# Allegro board RK3588S_Template_LP4XD200P232SD10H2_30X30_2133MHz_H1R0_V11_20220218YWQ.brd (continued)
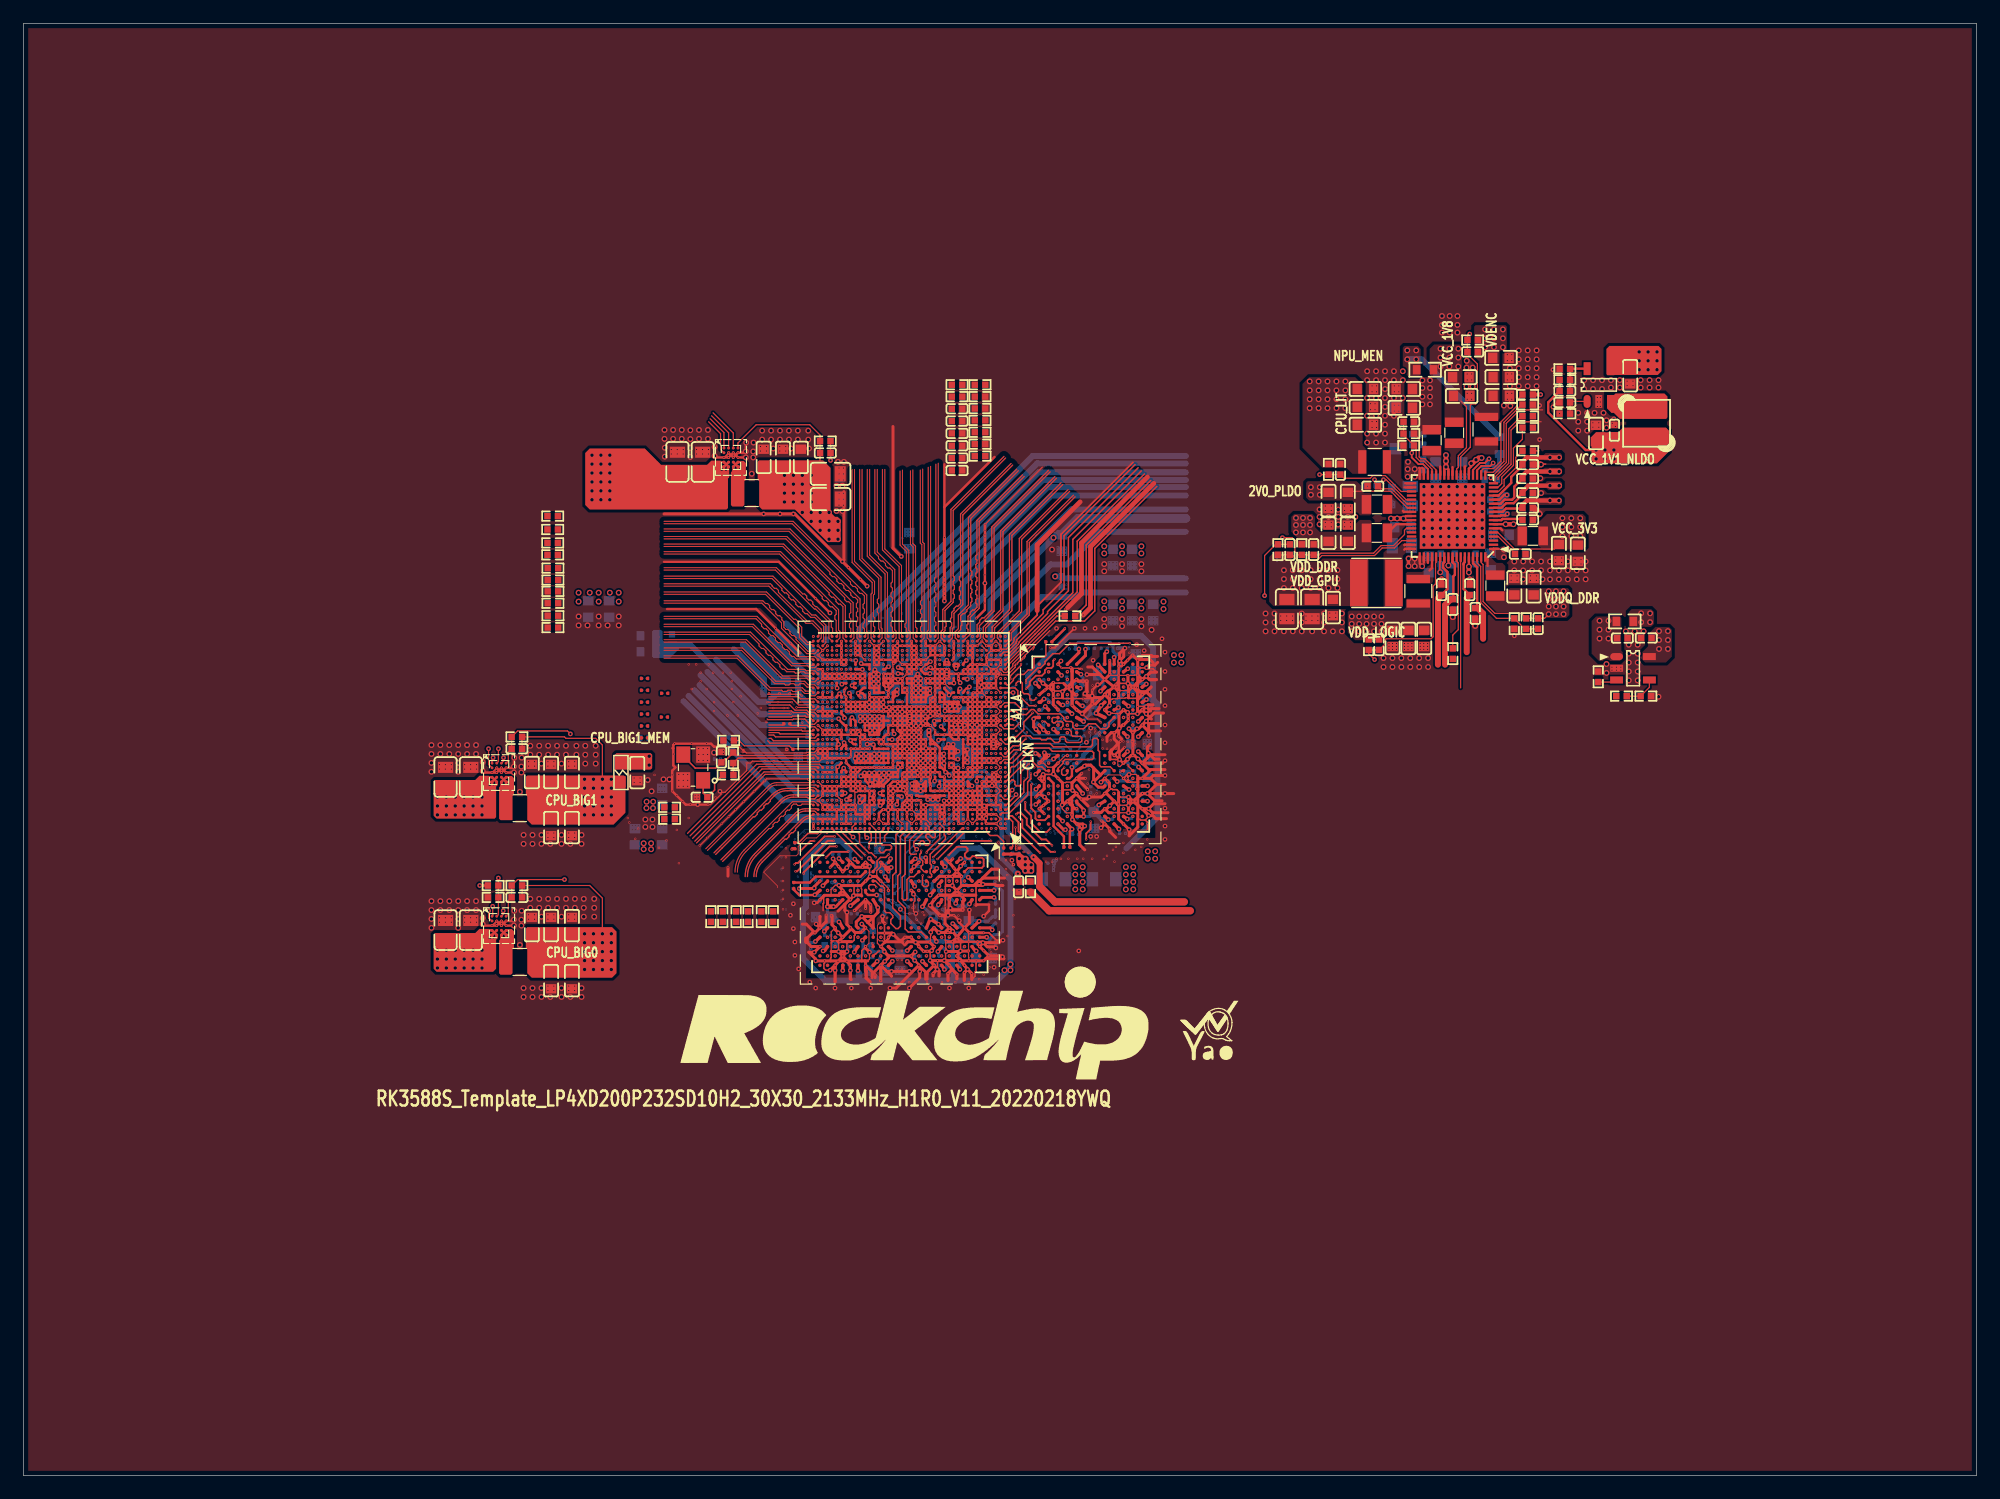
[diagram p0: board, top side]
## Copper pours and planes (outline as drawn; the poured copper is in the pictures) (continued)
VDD_0V75_S3 on TOP: 130.05,87.38 131.32,87.38 131.44,87.25 131.44,86.87 131.32,86.74 129.92,86.74 129.79,86.87 129.79,87.12
VDD_CPU_BIG0_S0 on TOP (solid shape): 50.67,46.48 50.67,42.93 50.29,42.55 43.43,42.55 43.05,42.93 43.05,44.96 42.93,45.09 42.93,46.74 43.05,46.86 50.29,46.86
VDD_CPU_BIG0_S0 on BOTTOM (solid shape): 75.06,60.45 75.06,59.79 74.75,59.49 74.18,59.49 74.18,59.42 74.05,59.42 73.66,59.03 73.56,59.03 73.5,59.05 73.47,59.05 73.41,59.05 73.15,59.05 72.9,58.8 72.52,58.8 72.14,58.42 71.88,58.42 71.88,58.8 72.01,58.93 72.19,58.93 72.21,58.98 72.21,59.09 72.23,59.12 72.25,59.17 72.39,59.31 72.39,59.56 72.29,59.67 72.27,59.65 72.24,59.67 72.08,59.68 71.95,59.6 71.93,59.59 71.92,59.59 71.84,59.59 71.76,59.56 71.4,59.56 71.39,59.57 71.27,59.59 71.16,59.57 71.15,59.56 70.76,59.56 70.68,59.59 70.61,59.59 70.59,59.59 70.48,59.69 70.48,59.94 70.53,59.95 70.59,59.97 70.64,60 70.7,60.06 71.62,60.06 71.73,60.17 71.91,60.17 71.91,60.19 72.38,60.19 72.4,60.17 72.63,60.17 72.65,60.19 72.71,60.19 72.96,60.45 74.04,60.45 74.29,60.71 74.8,60.71
VDD_CPU_BIG0_S0 on BOTTOM: 55.07,54.53 51.89,54.53 51.64,54.28 51.64,53.52 52.02,53.14 54.94,53.14 55.32,53.52 55.32,54.28
VDD_CPU_BIG0_S0 on L5-POWER2: 75.23,60.5 74.88,60.86 74.52,60.86 74.14,60.48 70.75,60.48 70.26,59.99 64.31,59.99 61.07,56.76 56.78,56.76 54.31,54.28 49.45,54.28 46.61,51.44 46.61,43.05 46.93,42.74 47.43,42.74 47.5,42.67 63.63,42.67 63.88,42.93 63.88,51.74 65.38,53.24 65.4,53.24 66.4,54.23 67.59,54.23 67.84,53.98 71.37,53.98 72.64,55.24 75.06,55.24 75.44,55.63 75.44,59.51 75.23,59.72
VDD_CPU_BIG0_S0 on L6-S2: 74.45,59.21 74.45,59.11 73.89,58.55 73.86,58.55 73.86,58.34 73.23,57.71 73.23,56.64 73.02,56.44 73.02,55.37 72.9,55.24 70.61,55.24 58.17,42.8 46.86,42.8 46.61,43.05 46.61,52.12 54.61,60.12 60.15,60.12 61.37,61.34 70.48,61.34 70.61,61.21 70.61,60.88 70.56,60.83 70.56,60.76 70.95,60.36 73.88,60.36 74.42,60.91 74.88,60.91 75.23,60.55 75.23,59.99
VDD_CPU_BIG1_MEM_S0 on TOP (solid shape): 53.72,61.59 53.72,60.45 53.59,60.33 50.55,60.33 50.55,61.59 50.67,61.72 53.59,61.72
VDD_CPU_BIG1_MEM_S0 on L6-S2: 72.91,63.29 72.97,63.22 72.97,62.1 72.85,61.97 71.11,61.97 70.76,61.62 70.71,61.62 70.69,61.59 61.24,61.59 60.02,60.38 53.29,60.38 53.21,60.45 53.21,62.99 53.51,63.29
VDD_CPU_BIG1_S0 on TOP (solid shape): 51.43,59.69 51.43,56.64 50.42,55.63 43.43,55.63 43.05,56.01 43.05,58.04 42.93,58.17 42.93,59.69 43.05,59.82 51.31,59.82
VDD_CPU_BIG1_S0 on BOTTOM (solid shape): 71.37,62.1 71.37,61.98 71.49,61.98 71.5,61.97 74.8,61.97 74.93,61.85 74.93,61.21 74.8,61.09 74.29,61.09 74.17,61.21 73.3,61.21 73.15,61.07 72.74,61.07 72.74,61.07 72.58,61.07 72.58,60.91 72.44,60.77 72.34,60.77 72.33,60.78 72.22,60.8 72.1,60.78 72.09,60.77 71.64,60.77 71.58,60.77 71.07,60.77 71.01,60.83 70.87,60.83 70.74,60.96 70.74,61.09 70.48,61.34 69.72,61.34 69.52,61.13 69.4,61.13 69.13,60.86 67.03,60.86 66.93,60.96 66.93,61.59 67.18,61.85 69.36,61.85 69.42,61.83 69.47,61.83 69.49,61.83 69.6,61.72 70.75,61.72 70.75,61.86 70.99,62.1 71.37,62.1
VDD_CPU_BIG1_S0 on BOTTOM: 53.21,56.69 54.94,56.69 55.19,56.95 55.19,57.84 55.07,57.96 53.21,57.96 52.96,57.71 52.96,56.95
VDD_CPU_BIG1_S0 on L5-POWER2: 73.38,62.73 68.07,62.73 67.81,62.99 66.55,62.99 66.42,62.87 66.42,62.86 66.29,62.73 59.82,62.73 59.05,63.5 47.24,63.5 46.99,63.25 46.99,56.77 48.84,54.91 53.97,54.91 56.83,57.77 56.91,57.77 56.97,57.84 58.12,57.84 58.37,57.58 60.91,57.58 63.99,60.66 70.65,60.66 70.87,60.88 73.23,60.88 73.38,61.04
VDD_CPU_BIG1_S0 on L8-S3: 49.1,63.93 61.54,63.93 61.8,63.68 66.42,63.68 66.55,63.55 66.55,62.74 66.93,62.36 68.58,62.36 69.09,61.85 69.98,61.85 70.23,62.1 71.75,62.1 71.88,62.23 71.88,62.48 72.01,62.61 72.64,62.61 72.77,62.48 72.77,62.23 72.9,62.1 73.15,62.1 73.28,61.98 73.28,61.21 73.15,61.09 70.74,61.09 70.36,60.71 70.1,60.71 69.21,59.82 69.21,58.55 67.82,57.15 66.55,57.15 61.21,51.82 47.62,51.82 47.12,52.32 47.12,61.95
VDD_CPU_LIT_S0 on BOTTOM (solid shape): 70.48,65.41 72.02,65.41 72.12,65.34 72.23,65.31 72.24,65.3 72.24,65.14 72.39,65.14 72.39,65.07 72.71,65.07 72.87,64.97 72.87,64.98 73.02,65.07 73.17,65.07 73.25,64.95 73.25,64.95 73.3,64.86 73.51,64.95 74.12,64.95 74.12,64.06 73.58,64.06 73.27,63.74 73.27,63.37 72.77,63.37 72.72,63.42 72.72,63.47 72.17,63.47 72.14,63.5 72.14,64.26 72.09,64.31 71.07,64.31 71.07,64.56 71.13,64.69 71.13,64.85 71.13,64.88 71.11,64.91 70.98,65.07 70.78,65.12 70.64,65.1 70.52,65.02 70.36,65.02 69.98,65.41 69.98,65.53 70.36,65.53
VDD_CPU_LIT_S0 on TOP: 113.54,85.6 113.03,86.11 111,86.11 109.28,87.82 109.28,93.28 109.85,93.85 113.79,93.85 114.43,93.22 114.43,88.01 114.68,87.76 114.68,85.6
VDD_CPU_LIT_S0 on BOTTOM: 50.85,74.09 51.18,74.42 51.18,75.56 50.88,75.87 47.42,75.87 47.12,75.56 47.12,74.42 47.45,74.09
VDD_CPU_LIT_S0 on L5-POWER2: 55.88,108.78 115.76,108.78 120.78,103.76 120.78,89.66 116.59,85.47 111.38,85.47 108.84,88.01 108.84,93.22 106.43,95.63 74.55,95.63 70.1,91.19 70.1,89.03 68.07,87 64.26,87 59.44,82.17 59.44,72.64 65.23,66.85 65.28,66.85 65.46,66.67 68.2,66.67 69.04,65.84 70.18,65.84 70.23,65.79 70.66,65.79 70.87,65.58 71.58,65.58 72.03,65.13 73.28,65.13 73.28,65.02 73.41,64.9 73.41,64.39 73.02,64.01 73.02,63.12 71.25,63.12 70.99,63.37 69.72,63.37 69.57,63.22 68.17,63.22 68.14,63.25 59.82,63.25 59.18,63.88 46.48,63.88 46.23,64.14 46.23,77.34 51.31,82.42 51.31,104.2
VDD_CPU_LIT_S0 on L6-S2: 72.74,63.34 53.16,63.34 52.82,63.68 46.81,63.68 46.48,64.01 46.48,86.61 67.31,107.44 112.27,107.44 114.17,105.54 114.17,91.31 113.79,90.93 73.28,90.93 68.58,86.23 64.52,86.23 62.48,84.2 62.48,80.64 62.1,80.26 62.1,75.06 62.67,74.49 62.8,74.49 69.21,68.07 69.21,66.29 69.34,66.17 70.23,66.17 70.23,66.08 70.48,65.83 72.83,65.83 73.41,65.25 73.41,64.39 73.41,64.39 73.02,64.01 73.02,63.63
VDD_DDR_S0 on BOTTOM (solid shape): 79.38,62.99 80.11,62.99 80.21,62.89 80.21,61.62 80.06,61.47 80.06,61.11 80.01,61.06 79.66,61.06 79.58,61.14 79.45,61.14 79.32,61.26 79.32,61.65 78.94,62.03 78.94,62.53 78.87,62.61 78.87,62.99 78.99,63.12 79.25,63.12
VDD_DDR_S0 on BOTTOM (solid shape): 77.42,59.49 77.42,58.98 76.91,58.47 76.91,58.17 76.83,58.09 75.51,58.09 75.39,58.22 75.39,58.28 75.41,58.3 75.52,58.48 75.52,58.69 75.51,58.7 75.51,59.23 75.57,59.29 76.41,59.29 76.41,59.36 76.53,59.36 76.78,59.61 77.29,59.61
VDD_DDR_S0 on TOP: 108.84,80.14 108.33,80.64 108.33,81.91 108.58,82.17 110.11,82.17 110.36,81.91 110.36,81.03 110.74,80.64 113.79,80.64 113.79,81.28 114.17,81.66 115.06,81.66 115.19,81.53 115.19,79.12 115.06,78.99 110.87,78.99 110.62,79.25 108.97,79.25 108.84,79.38
VDD_DDR_S0 on L4-POWER1: 77.81,62.01 77.81,63.33 78.16,63.68 80.09,63.68 80.21,63.55 80.21,62.15 80.47,61.9 80.47,60.96 81.03,60.4 81.03,58.55 80.14,57.66 78.54,57.66 78.28,57.91 75.95,57.91 75.65,58.2 75.65,59.23 75.77,59.35 76.88,59.35 77.93,60.4 77.93,61.9
VDD_DDR_S0 on L4-POWER1: 109.09,40.89 85.72,40.89 85.22,41.4 85.22,50.67 85.34,50.8 88.01,50.8 89.41,49.4 92.96,49.4 94.87,47.5 103.63,47.5 107.82,51.69 107.82,82.8 108.2,83.19 117.98,83.19 119.25,81.91 119.25,79.12 120.65,77.72 120.65,52.45
VDD_DDR_S0 on L5-POWER2: 77.22,59.31 75.82,59.31 75.69,59.18 75.69,58.04 75.95,57.78 76.58,57.78 76.96,58.17 78.23,58.17 78.36,58.29 79.12,58.29 80.01,59.18 80.01,62.23 79.63,62.61 78.74,62.61 78.61,62.48 78.61,62.23 78.74,62.1 78.74,60.83
VDD_DDR_S0 on L6-S2: 73.48,57.78 75.03,59.33 75.06,59.33 75.16,59.44 77.09,59.44 77.47,59.82 77.98,59.82 78.74,59.05 83.69,59.05 84.07,59.44 85.09,59.44 85.85,58.67 85.85,57.15 88.39,54.61 88.39,49.91 87.63,49.15 83.44,49.15 82.68,49.91 82.68,51.18 80.58,53.28 78.3,53.28 77.47,54.1 75.06,54.1 74.42,54.74 74.36,54.67 73.6,54.67 73.28,54.99 73.28,56.06 73.48,56.26
VDD_GPU_S0 on BOTTOM (solid shape): 76.2,68.71 76.58,68.71 76.73,68.56 76.73,68.33 76.8,68.23 76.92,68.18 76.96,68.17 76.96,68.07 77.09,67.94 77.09,67.69 77.33,67.45 77.36,67.47 77.39,67.49 77.55,67.49 77.63,67.41 77.62,67.3 77.66,67.18 77.64,67.14 77.6,67.02 77.62,66.89 77.63,66.83 77.66,66.78 77.67,66.75 77.67,66.73 77.69,66.7 77.7,66.63 77.76,66.63 77.78,66.61 77.79,66.61 77.8,66.6 77.93,66.6 78.05,66.47 78.05,66.22 77.93,66.09 77.55,66.09 77.42,65.96 77.27,65.96 77.16,65.86 77.11,65.83 77.06,65.79 76.71,65.79 76.66,65.84 75.9,65.84 75.9,65.91 75.71,65.91 75.71,65.94 75.66,65.94 75.56,66.04 75.26,66.04 75.26,66.5 75.56,66.8 75.56,68.96 75.69,69.09 75.82,69.09
VDD_GPU_S0 on TOP: 110.74,78.11 108.58,78.11 108.33,78.36 108.33,78.74 108.08,78.99 106.93,78.99 106.43,78.49 106.43,74.68 106.81,74.3 114.81,74.3 114.94,74.42 114.94,78.23 114.81,78.36 111,78.36
VDD_GPU_S0 on BOTTOM: 75.31,79.76 75.06,79.5 75.06,78.87 75.18,78.74 76.2,78.74 76.33,78.87 76.33,79.63 76.2,79.76
VDD_GPU_S0 on BOTTOM: 92.2,78.49 95.63,78.49 95.76,78.61 95.76,79.5 95.63,79.63 92.2,79.63 92.07,79.5 92.07,78.61
VDD_GPU_S0 on L5-POWER2: 75.44,66.6 75.36,66.67 75.31,66.67 75.31,66.8 74.94,67.17 74.41,67.17 73.89,67.69 73.89,71.75 70.74,74.9 70.74,90.81 74.99,95.06 106.11,95.06 108.33,92.84 108.33,87.25 110.49,85.09 111.38,85.09 112.78,83.69 112.78,75.82 112.52,75.56 103.76,75.56 98.81,80.52 82.77,80.52 79.38,77.13 79.38,74.3 79.25,74.17 79.21,74.17 78.53,73.49 78.53,72.15 78.01,71.63 78.01,70.5 77.98,70.48 77.98,67.82 77.85,67.69 77.85,66.8 77.65,66.6
VDD_GPU_S0 on L6-S2: 76.35,66.52 76.28,66.6 75.44,66.6 74.96,67.08 74.93,67.08 74.7,67.31 73.89,67.31 73.79,67.41 73.56,67.41 73.38,67.59 73.38,72.14 73.39,72.15 73.39,72.63 73.41,72.64 73.41,72.77 70.74,75.44 70.74,88.01 73.28,90.55 113.54,90.55 114.43,89.66 114.43,77.47 111.63,74.68 107.24,74.68 105.16,76.76 89.41,76.76 88.7,77.47 81.79,77.47 80.77,76.45 80.77,75.82 79.63,74.68 79.63,73.28 78.99,72.64 78.99,71.12 78.23,70.36 78.23,66.65 78.1,66.52
VDD_LOGIC_S0 on BOTTOM (solid shape): 79.12,65.94 79.75,65.94 79.75,65.96 80.06,65.96 80.12,65.75 80.31,65.74 80.34,65.71 80.67,65.71 80.74,65.7 80.85,65.71 80.9,65.66 80.9,65.15 80.85,65.11 80.19,65.11 80.19,65.07 79.71,65.07 79.58,65.2 79.58,65.58 78.31,65.58 78.31,65.86 78.41,65.96 79.12,65.96
VDD_LOGIC_S0 on L9-GND3 (solid shape): 70.87,65.79 70.87,65.22 70.84,65.15 70.77,65.12 70.65,65.09 70.55,65.02 70.35,65.02 70.15,65.08 69.96,65.02 69.21,65.02 68.2,64.01 68.2,62.74 69.21,61.72 69.98,61.72 70.1,61.59 70.1,61.21 69.98,61.09 69.98,60.96 69.6,60.96 69.54,60.91 69.52,60.9 69.39,60.86 69.29,60.76 69.22,60.57 69.27,60.37 69.44,60.22 69.67,60.22 69.7,60.22 69.82,60.11 69.99,60.11 70.08,60.09 70.17,60.1 70.19,60.11 70.97,59.33 70.97,59.26 70.99,59.2 70.99,58.93 70.61,58.93 70.1,59.44 68.71,59.44 68.07,60.07 68.07,61.47 67.69,61.85 67.69,64.52 68.83,65.66 70.16,65.66 70.22,65.65 70.48,65.91 70.74,65.91
VDD_LOGIC_S0 on TOP: 113.16,72.01 113.79,71.37 115.82,71.37 116.2,71.75 120.01,71.75 120.27,72.01 120.27,74.8 120.14,74.93 118.24,74.93 118.11,74.8 118.11,74.17 117.86,73.91 113.28,73.91 113.16,73.79
VDD_LOGIC_S0 on BOTTOM: 92.27,73.66 91.38,72.77 87.76,72.77 86.99,72.01 86.99,71.25 84.65,68.9 84.65,68.52 84.45,68.33 84.45,67.69 81.91,65.15 80.14,65.15 80.14,65.41 80.39,65.66 80.9,65.66 81.66,66.42 82.04,66.42 82.68,67.06 82.68,67.69 84.07,69.09 84.07,69.47 85.09,70.48 85.09,72.64 87.12,74.68 90.3,74.68 90.55,74.93 95.63,74.93 95.76,74.8 95.76,73.91 95.5,73.66
VDD_LOGIC_S0 on L4-POWER1: 78.36,65.38 76.43,65.38 76.2,65.15 75.31,65.15 75.08,65.38 74.12,65.38 73.3,66.19 71.37,66.19 71.12,66.45 71.12,66.93 71.37,67.18 72.05,67.18 72.14,67.09 74.29,67.09 74.55,66.84 75.44,66.84 75.44,66.55 75.82,66.17 76.2,66.17 76.62,66.59 76.67,66.59 76.76,66.5 79.55,66.5 80.26,65.79 80.26,65.15 79.88,64.77 78.97,64.77
VDD_LOGIC_S0 on L5-POWER2: 78.41,65.35 77.48,65.35 77.44,65.38 76.61,65.38 76.58,65.41 76.45,65.41 76.2,65.15 75.44,65.15 75.12,65.47 72.45,65.47 71.96,65.96 71.15,65.96 71.02,66.09 71.02,67.21 71.09,67.28 74.5,67.28 74.57,67.21 74.57,66.9 75.11,66.36 78.41,66.36 78.41,67.4 78.37,67.45 78.37,68.06 78.49,68.18 78.49,71.5 79.12,72.14 79.12,73.03 79.88,73.79 79.88,76.84 82.69,79.64 88.26,79.64 88.89,80.26 98.68,80.26 103.5,75.44 115.95,75.44 116.33,75.06 116.33,71.12 113.54,68.33 102.11,68.33 96.65,73.79 87.76,73.79 86.8,72.83 86.8,71.69 85.72,70.61 85.72,68.96 85.09,68.33 85.09,66.67 84.71,66.29 84.28,66.29 82.42,64.44 78.56,64.44 78.41,64.59
VDD_LOGIC_S0 on L6-S2: 80.01,65.38 79.12,65.38 78.89,65.15 78.59,65.15 78.36,65.38 76.58,65.38 76.35,65.15 75.29,65.15 75.06,65.38 74.12,65.38 73.3,66.19 70.97,66.19 70.97,67.11 71.12,67.26 71.88,67.26 72.05,67.09 74.29,67.09 74.55,66.84 75.1,66.84 75.77,66.17 76.5,66.17 76.83,66.5 79.71,66.5 80.14,66.07 80.14,65.51
VDD_LOGIC_S0 on L8-S3: 88.42,72.64 89.36,73.58 96.65,73.58 100.13,70.1 115.57,70.1 116.33,70.87 116.33,78.11 115.06,79.38 107.44,79.38 102.74,84.07 82.37,84.07 80.09,81.79 80.09,73.33 80.14,73.28 80.14,71.5 80.01,71.37 80.01,70.23 80.26,69.98 80.64,69.98 80.9,69.72 80.9,68.96 80.26,68.33 80.26,67.31 79.88,66.93 79.38,66.93 78.49,66.04 78.49,65.28 78.61,65.15 78.74,65.15 79.25,65.66 79.76,65.66 80.14,65.28 80.14,64.64 80.26,64.52 81.79,64.52 82.11,64.83 82.11,65.72 82.93,66.55 82.93,67.56 82.8,67.69 82.8,68.07 83.06,68.33 83.06,69.34 84.2,70.48 84.2,71.25 84.33,71.37 84.33,72.01 84.96,72.64
VDD_NPU_S0 on TOP (solid shape): 68.96,86.11 68.96,82.3 69.34,81.91 69.57,81.91 69.82,81.66 69.82,79.88 69.7,79.76 68.71,79.76 66.03,82.45 66.01,82.45 65.91,82.55 63.12,82.55 62.86,82.8 62.86,84.96 62.74,85.09 62.74,86.61 62.86,86.74 68.33,86.74
VDD_NPU_S0 on BOTTOM (solid shape): 72.77,70.39 72.68,70.16 72.76,69.92 72.77,69.91 72.77,69.85 73.1,69.52 73.48,69.52 73.53,69.47 73.53,69.09 73.57,69.05 73.61,68.93 73.64,68.9 73.66,68.87 73.69,68.84 73.74,68.81 73.74,68.64 73.7,68.61 73.66,68.58 73.63,68.55 73.6,68.52 73.52,68.52 73.43,68.5 73.23,68.5 73.23,66.8 73.15,66.73 72.34,66.73 72.34,68.71 72.39,68.76 72.39,70.61 72.52,70.74 72.77,70.74
VDD_NPU_S0 on BOTTOM: 66.17,82.04 66.17,82.55 65.91,82.8 64.9,82.8 64.64,83.06 64.64,85.6 65.15,86.11 68.45,86.11 69.09,85.47 69.09,82.3 69.98,81.41 69.98,80.01 69.72,79.76 68.45,79.76
VDD_NPU_S0 on L3-S1: 67.69,79.63 69.72,79.63 69.85,79.76 69.85,81.91 67.69,84.07 67.69,85.6 67.44,85.85 64.9,85.85 64.64,85.6 64.64,82.68
VDD_NPU_S0 on L5-POWER2: 73.66,71.63 73.66,67.51 73.53,67.39 65.71,67.39 60.2,72.9 60.2,81.79 64.64,86.23 70.36,86.23 70.48,86.11 70.48,74.8
VDD_NPU_S0 on L6-S2: 71.51,67.45 71.32,67.64 71.32,67.67 70.31,68.68 69.62,68.68 62.86,75.44 62.86,83.95 64.77,85.85 70.36,85.85 70.42,85.79 70.42,75.31 73.1,72.63 73.1,69.01 73.33,68.78 73.33,67.51 73.34,67.5 73.15,67.31 71.64,67.31 71.51,67.44
VDD_NPU_S0 on L8-S3: 74.5,66.6 74.42,66.67 74.42,67.18 75.06,67.82 75.06,68.07 75.44,68.45 75.44,71.35 75.45,71.36 75.45,71.74 74.93,72.26 74.93,72.39 74.42,72.9 72.77,72.9 64.26,81.41 64.26,85.47 64.77,85.98 69.72,85.98 73.91,81.79 73.91,78.87 74.68,78.11 79.5,78.11 79.63,77.98 79.63,72.77 79.5,72.64 79.5,70.74 79.38,70.61 77.6,70.61 77.09,70.1 76.71,70.1 76.2,69.6 76.2,68.58 74.93,67.31 74.93,66.85 74.68,66.6
VDD_NPU_S0 on L9-GND3: 69.85,79.88 69.72,79.76 68.71,79.76 65.79,82.68 64.9,82.68 64.64,82.93 64.64,85.6 64.9,85.85 67.44,85.85 67.69,85.6 67.69,83.95 69.85,81.79
VDD_VDENC_S0 on BOTTOM (solid shape): 78.36,64.52 77.85,64.01 77.85,63.75 77.6,63.5 77.6,63.42 77.53,63.36 77.53,63.04 77.28,62.79 76.91,62.79 76.91,62.95 76.91,63.49 76.91,63.55 77.17,63.8 77.22,63.8 77.29,63.88 77.34,63.88 77.37,63.91 77.55,63.91 77.55,64.04 77.57,64.08 77.6,64.14 77.6,64.52 77.69,64.61 77.75,64.66 77.82,64.69 77.89,64.66 77.99,64.75 78.05,64.77 78.36,64.77
VDD_VDENC_S0 on TOP: 125.98,90.17 126.11,90.3 126.11,96.01 126.24,96.14 126.62,96.14 126.75,96.27 126.75,98.17 126.62,98.3 124.08,98.3 123.95,98.17 123.95,95.63 124.4,95.19 124.4,91.63 123.95,91.19 123.95,90.3 124.08,90.17
VDD_VDENC_S0 on BOTTOM: 97.54,73.79 97.66,73.91 97.66,74.93 97.54,75.06 96.14,75.06 96.01,74.93 96.01,73.91 96.14,73.79
VDD_VDENC_S0 on BOTTOM: 78.06,61.01 78.06,61.64 78.25,61.83 78.76,61.83 79.07,61.52 79.07,60.5 79.5,60.07 79.5,59.82 79.38,59.69 78.1,59.69 78.1,60.96
VDD_VDENC_S0 on L5-POWER2: 84.07,63.25 85.09,64.26 85.09,65.41 85.85,66.17 85.85,68.2 86.87,69.22 87.5,69.22 88.01,69.72 88.01,70.23 88.26,70.48 88.65,70.48 89.03,70.87 89.03,72.39 89.28,72.64 89.66,72.64 89.79,72.52 89.79,71.75 90.17,71.37 92.07,71.37 93.09,70.36 93.85,70.36 94.23,69.98 97.03,69.98 98.04,68.96 98.93,68.96 99.44,69.47 99.44,70.36 96.39,73.41 88.01,73.41 87.25,72.64 87.25,71.63 86.11,70.48 86.11,68.96 85.34,68.2 85.34,66.55 84.2,65.41 83.69,65.41 82.8,64.52 82.8,64.26 82.42,63.88 81.53,63.88 81.41,63.75 78.87,63.75 78.61,64.01 77.34,64.01 77.09,63.75 77.09,63.25 77.22,63.12 80.64,63.12 80.9,63.37 81.15,63.37 81.28,63.25
VDD_VDENC_S0 on L6-S2: 86.33,68.96 90.53,68.96 91.49,69.93 92.79,69.93 93.09,70.23 93.73,70.23 93.98,69.98 96.52,69.98 96.58,69.91 96.84,69.91 101.73,65.02 122.43,65.02 127.13,69.72 127.13,78.11 132.33,83.31 132.33,97.66 131.71,98.29 124.7,98.29 124.46,98.04 124.46,92.71 120.65,88.9 117.98,88.9 115.06,85.98 115.06,77.09 112.14,74.17 106.3,74.17 104.52,75.95 82.55,75.95 80.77,74.17 80.77,71.35 79.45,70.03 79.45,68.12 79.07,67.74 79.07,67.11 79.58,66.6 80.09,66.6 80.21,66.47 80.21,65.46 80.09,65.33 78.18,65.33 78.06,65.21 78.06,60.12 78.87,59.31 83.57,59.31 83.95,59.69 84.84,59.69 85.34,60.2 85.34,67.97
VDDA_0V75_S0 on BOTTOM (solid shape): 81.48,68.76 81.53,68.71 80.64,67.82 80.52,67.82 80.34,68 80.34,68.25 80.59,68.25 80.59,68.35 80.67,68.42 80.67,68.63 80.59,68.71 80.59,68.76 80.72,68.88 81.48,68.88
VDDA_0V75_S0 on BOTTOM (solid shape): 79.36,68.83 79.45,68.7 79.59,68.62 79.63,68.61 79.63,68.43 79.58,68.43 79.58,67.82 79.65,67.79 79.68,67.72 79.7,67.63 79.55,67.49 79.35,67.69 78.74,67.69 78.74,68.03 78.77,68.1 78.85,68.13 79.19,68.29 79.19,68.66
VDDA_0V75_S0 on TOP: 130.05,84.84 130.05,84.45 130.3,84.2 131.19,84.2 131.44,84.45 131.44,84.84 131.32,84.96 130.17,84.96
VDDA_0V85_S0 on TOP: 131.32,83.57 131.44,83.44 131.44,83.06 131.32,82.93 129.54,82.93 129.29,83.19 129.29,83.31 129.54,83.57
VDDQ_DDR on BOTTOM: 92.46,68.88 92.56,68.77 92.56,67.93 92.33,67.69 92.33,67.18 92.35,67.16 92.35,67.04 91.99,66.67 91.82,66.67 91.33,67.16 90.57,67.16 90.15,66.74 90.15,66.49 89.9,66.23 89.9,65.98 89.52,65.6 88.75,65.6 88.63,65.73 88.63,65.85 88.75,65.98 89.13,65.98 89.52,66.36 89.52,66.74 90.17,67.4 90.17,67.94 89.92,68.2 89.53,68.2 89.41,68.07 88.52,68.07 88.24,68.35 87.02,68.35 86.87,68.2 86.87,67.82 86.59,67.54 86.38,67.54 86.23,67.69 86.23,68.07 87.32,69.15 88.71,69.15 89.77,70.21 91.04,70.21 91.31,70.48 91.31,70.74 91.44,70.87 92.2,70.87 92.2,70.23 92.46,69.98
VDDQ_DDR on BOTTOM: 92.82,56.33 94.85,56.33 95.1,56.58 95.1,57.51 95.5,57.91 96.14,57.91 96.27,57.78 96.27,57.53 96.21,57.47 96.12,57.47 95.61,56.96 95.61,56.33 94.85,55.57 92.31,55.57 91.8,56.07 89.36,56.07 89.16,55.87 89.13,55.87 88.96,55.69 86.13,55.69 85.44,56.39 85.44,57.31 85.85,57.72 86.36,57.72 86.65,57.44 86.65,57.25 86.49,57.09 85.85,57.09 85.72,56.96 85.72,56.58 85.98,56.33 87.25,56.33 87.48,56.56 87.48,56.58 87.63,56.73 87.63,58.34 87.48,58.49 87.48,58.72 87.76,58.99 87.99,58.99 88.12,58.87 88.12,56.45 88.25,56.33 88.75,56.33 88.88,56.45 88.88,56.86 88.98,56.96 90.33,56.96 90.67,57.31 91.13,57.31 92.6,58.78 94.56,58.78 94.6,58.74 94.6,58.67 94.61,58.65 94.61,58.42 94.47,58.27 93.24,58.27 92.31,57.34 92.31,56.84
VDDQ_DDR on BOTTOM: 89.03,49.78 91.69,49.78 91.82,49.91 91.82,52.2 91.69,52.32 88.77,52.32 88.52,52.07 88.52,50.29
VDDQ_DDR on BOTTOM: 81.66,43.58 80.52,43.58 80.38,43.44 80.38,43.3 80.14,43.05 79.88,43.05 79.76,43.18 79.76,43.81 80.01,44.07 80.26,44.07 80.39,44.2 80.39,44.6 80.9,45.1 81.64,45.1 81.79,44.96 81.79,43.71
VDDQ_DDR on BOTTOM: 82.17,46.88 81.41,46.88 81.15,46.63 80.14,46.63 80.01,46.76 79.5,46.76 79.12,47.14 79.12,47.26 79.25,47.39 79.63,47.39 79.88,47.14 80.14,47.14 80.26,47.26 80.26,47.52 79.63,48.15 79.63,48.53 79.12,49.04 78.87,49.04 78.61,49.3 78.36,49.3 77.98,49.68 77.98,50.44 78.1,50.57 78.23,50.57 78.36,50.44 78.36,50.06 78.74,49.68 79.12,49.68 79.88,48.91 80.52,48.91 80.52,50.18 80.39,50.31 80.01,50.31 79.88,50.44 79.88,50.95 80.9,51.96 80.9,52.32 80.77,52.45 80.01,52.45 79.88,52.58 79.88,52.83 80.01,52.96 81.28,52.96 81.53,52.7 81.53,50.42 82.68,49.28 82.68,48.66 82.8,48.53 83.18,48.53 83.31,48.41 83.31,47.64 83.18,47.52 82.8,47.52
VDDQ_DDR on BOTTOM: 95.06,68.01 94.6,68.01 94.09,68.52 94.09,69.07 94.36,69.34 95.38,69.34 95.5,69.22 95.5,68.2 95.76,67.94 96.01,67.94 96.14,67.82 96.14,67.56 96.01,67.44 95.25,67.44 95.12,67.56 95.12,67.94
VDDQ_DDR on BOTTOM: 68.71,46.37 68.71,44.83 69.21,44.32 69.74,44.32 70.23,43.83 70.23,43.05 70.1,42.93 69.85,42.93 69.72,43.05 69.72,43.31 69.34,43.69 68.83,43.69 67.94,44.58 67.94,46.88 68.45,47.39 68.45,49.78 68.07,50.16 68.07,53.09 68.83,53.85 69.6,53.85 70.1,53.34 70.1,52.83 69.82,52.55 69.63,52.55 69.47,52.7 69.47,53.34 69.34,53.47 68.96,53.47 68.71,53.21 68.71,52.07 69.21,51.56 70.72,51.56 70.85,51.69 71.12,51.69 71.37,51.44 71.37,51.2 71.25,51.07 68.83,51.07 68.71,50.95 68.71,50.44 68.83,50.31 69.24,50.31 69.34,50.21 69.34,48.86 69.69,48.52 69.69,48.06 71,46.75 71,45.96 71.25,45.72 71.25,44.72 71.12,44.6 70.99,44.6 70.87,44.72 70.87,45.47 70.24,46.09 70.24,46.1 69.98,46.36 69.98,46.63 69.72,46.88 69.21,46.88
VDDQ_DDR on L6-S2: 67.94,46.74 68.33,47.12 68.33,48.64 67.94,49.02 67.94,50.67 68.45,51.18 68.45,51.44 69.47,52.45 69.47,52.96 70.23,53.72 73.15,53.72 73.28,53.59 75.82,53.59 76.2,53.21 77.6,53.21 77.85,52.96 80.58,52.96 82.49,51.05 82.49,49.34 82.93,48.89 87.88,48.89 88.65,49.66 88.65,55.24 88.33,55.56 88.07,55.56 85.98,57.66 85.98,60.45 85.72,60.71 85.72,62.36 85.6,62.48 85.6,64.01 85.98,64.39 86.87,64.39 86.99,64.52 86.99,64.77 86.87,64.9 85.85,64.9 85.6,65.15 85.6,67.69 86.74,68.83 90.17,68.83 90.8,69.47 90.93,69.47 91.06,69.6 96.27,69.6 97.28,68.58 97.28,47.37 92.52,42.61 69.6,42.61 67.94,44.26
VDDQ_DDR_S0 on TOP (solid shape): 85.22,53.21 85.28,53.11 85.38,53.04 85.39,53.04 85.47,52.96 85.72,52.96 85.89,52.79 85.89,52.66 86.13,52.43 86.15,52.43 86.36,52.21 86.36,51.57 86.23,51.44 85.47,51.44 85.37,51.54 85.37,51.6 85.34,51.63 85.34,51.69 84.89,52.15 84.89,52.17 84.88,52.27 84.84,52.37 84.84,53.21 85.21,53.21
VDDQ_DDR_S0 on BOTTOM (solid shape): 80.85,62.41 80.85,62.28 80.98,62.15 81.99,62.15 82.12,62.03 82.12,61.77 81.99,61.65 81.74,61.65 81.61,61.52 81.61,60.88 81.48,60.76 80.44,60.76 80.31,60.88 80.31,61.37 80.47,61.52 80.47,62.53 80.72,62.53
VDDQ_DDR_S0 on BOTTOM (solid shape): 78.44,57.96 78.24,57.77 78.24,57.32 78.22,57.29 78.22,57.02 78.16,56.82 78.22,56.62 78.22,56.12 77.34,55.24 76.83,55.24 76.83,56.01 76.96,56.13 76.96,56.76 76.99,56.8 77.01,56.83 77.04,56.89 77.11,56.92 77.35,57.03 77.44,57.28 77.34,57.53 77.08,57.63 77.03,57.67 77.01,57.73 77.01,57.91 77.18,58.08 78.04,58.08 78.18,58.22 78.44,58.22
VDDQ_DDR_S0 on TOP: 124.97,74.68 124.97,75.56 126.75,75.56 127,75.82 131.95,75.82 132.08,75.69 132.08,73.53 131.83,73.28 130.17,73.28 129.79,73.66 128.27,73.66 128.14,73.79 125.86,73.79
VDDQ_DDR_S0 on BOTTOM: 89.15,49.28 88.26,50.16 87.76,50.16 87.63,50.29 87.63,52.32 87.38,52.58 86.87,52.58 86.49,52.96 85.72,52.96 85.22,53.47 84.96,53.47 84.84,53.34 84.84,51.44 85.34,50.93 85.34,45.72 85.6,45.47 113.92,45.47 132.59,64.14 132.59,75.18 131.95,75.82 127.63,75.82 126.11,74.3 126.11,67.82 107.57,49.28
VDDQ_DDR_S0 on L5-POWER2: 81.91,63.12 83.02,63.12 83.03,63.12 84.53,63.12 84.53,63.12 84.84,63.12 85.45,62.51 85.45,56.92 85.47,56.9 85.47,56.26 87.12,54.61 87.12,51.82 86.61,51.31 82.8,51.31 80.14,53.98 76.2,53.98 76,54.17 76,57.46 76.07,57.53 76.71,57.53 77.22,58.04 79.25,58.04 80.26,59.05 80.26,61.98 80.52,62.23 81.03,62.23
PMIC_SW1 on TOP: 116.59,79.25 117.35,79.25 117.73,79.63 119,79.63 119,78.87 118.24,78.87 117.86,78.49 117.86,74.3 117.73,74.17 116.33,74.17 116.2,74.3 116.2,78.87
PMIC_SW2 on TOP: 119,84.33 119,84.89 118.06,84.89 117.73,85.22 117.73,87.38 117.47,87.63 116.33,87.63 116.2,87.5 116.2,85.6 117.47,84.33
PMIC_SW3 on TOP: 120.27,77.98 120.27,78.87 120.52,78.87 120.52,76.45 120.27,76.2 118.24,76.2 118.11,76.33 118.11,77.09 118.24,77.22 119.51,77.22
PMIC_SW4 on TOP: 123.82,87.88 123.82,88.52 124.08,88.77 125.86,88.77 125.98,88.65 125.98,87.5 125.73,87.25 124.46,87.25 123.44,86.23 123.44,85.85 123.32,85.72 123.06,85.72 122.94,85.85 122.94,87
PMIC_SW5 on TOP: 116.08,79.76 116.08,81.28 116.2,81.41 119,81.41 119,81.15 118.24,81.15 117.86,80.77 117.86,80.52 117.09,79.76
PMIC_SW6 on TOP: 119.76,87 119.63,87 119.51,87.12 119.51,88.01 121.16,88.01 121.16,85.85 120.9,85.85
PMIC_SW7 on TOP: 116.2,82.17 118.11,82.17 118.18,82.24 119,82.24 119,82.42 118.36,82.42 116.97,83.82 116.14,83.82 116.14,82.23
PMIC_SW8 on TOP: 125.22,80.77 125.98,80.77 127.38,79.38 128.4,79.38 128.52,79.5 128.52,81.03 128.4,81.15 127.76,81.15 127.51,80.9 126.62,80.9 126.49,81.03 125.22,81.03
PMIC_SW9 on TOP: 124.71,76.45 124.71,78.87 124.73,78.88 125.03,78.88 125.03,78.8 125.86,77.98 126.36,77.98 126.62,77.72 126.62,76.58 126.49,76.45
